# Altium PCB 控制器.PcbDoc (part 2 of 2)
Units mil, origin at the board's own origin, x right, y up, seen from the top; angles counter-clockwise.
Board outline 4045 x 3522 mil, 2 copper layers (Top Layer, Bottom Layer); 118 components, 129 nets, 483 pads, 116 vias.
Unrouted connection lines stored in the file: 1.
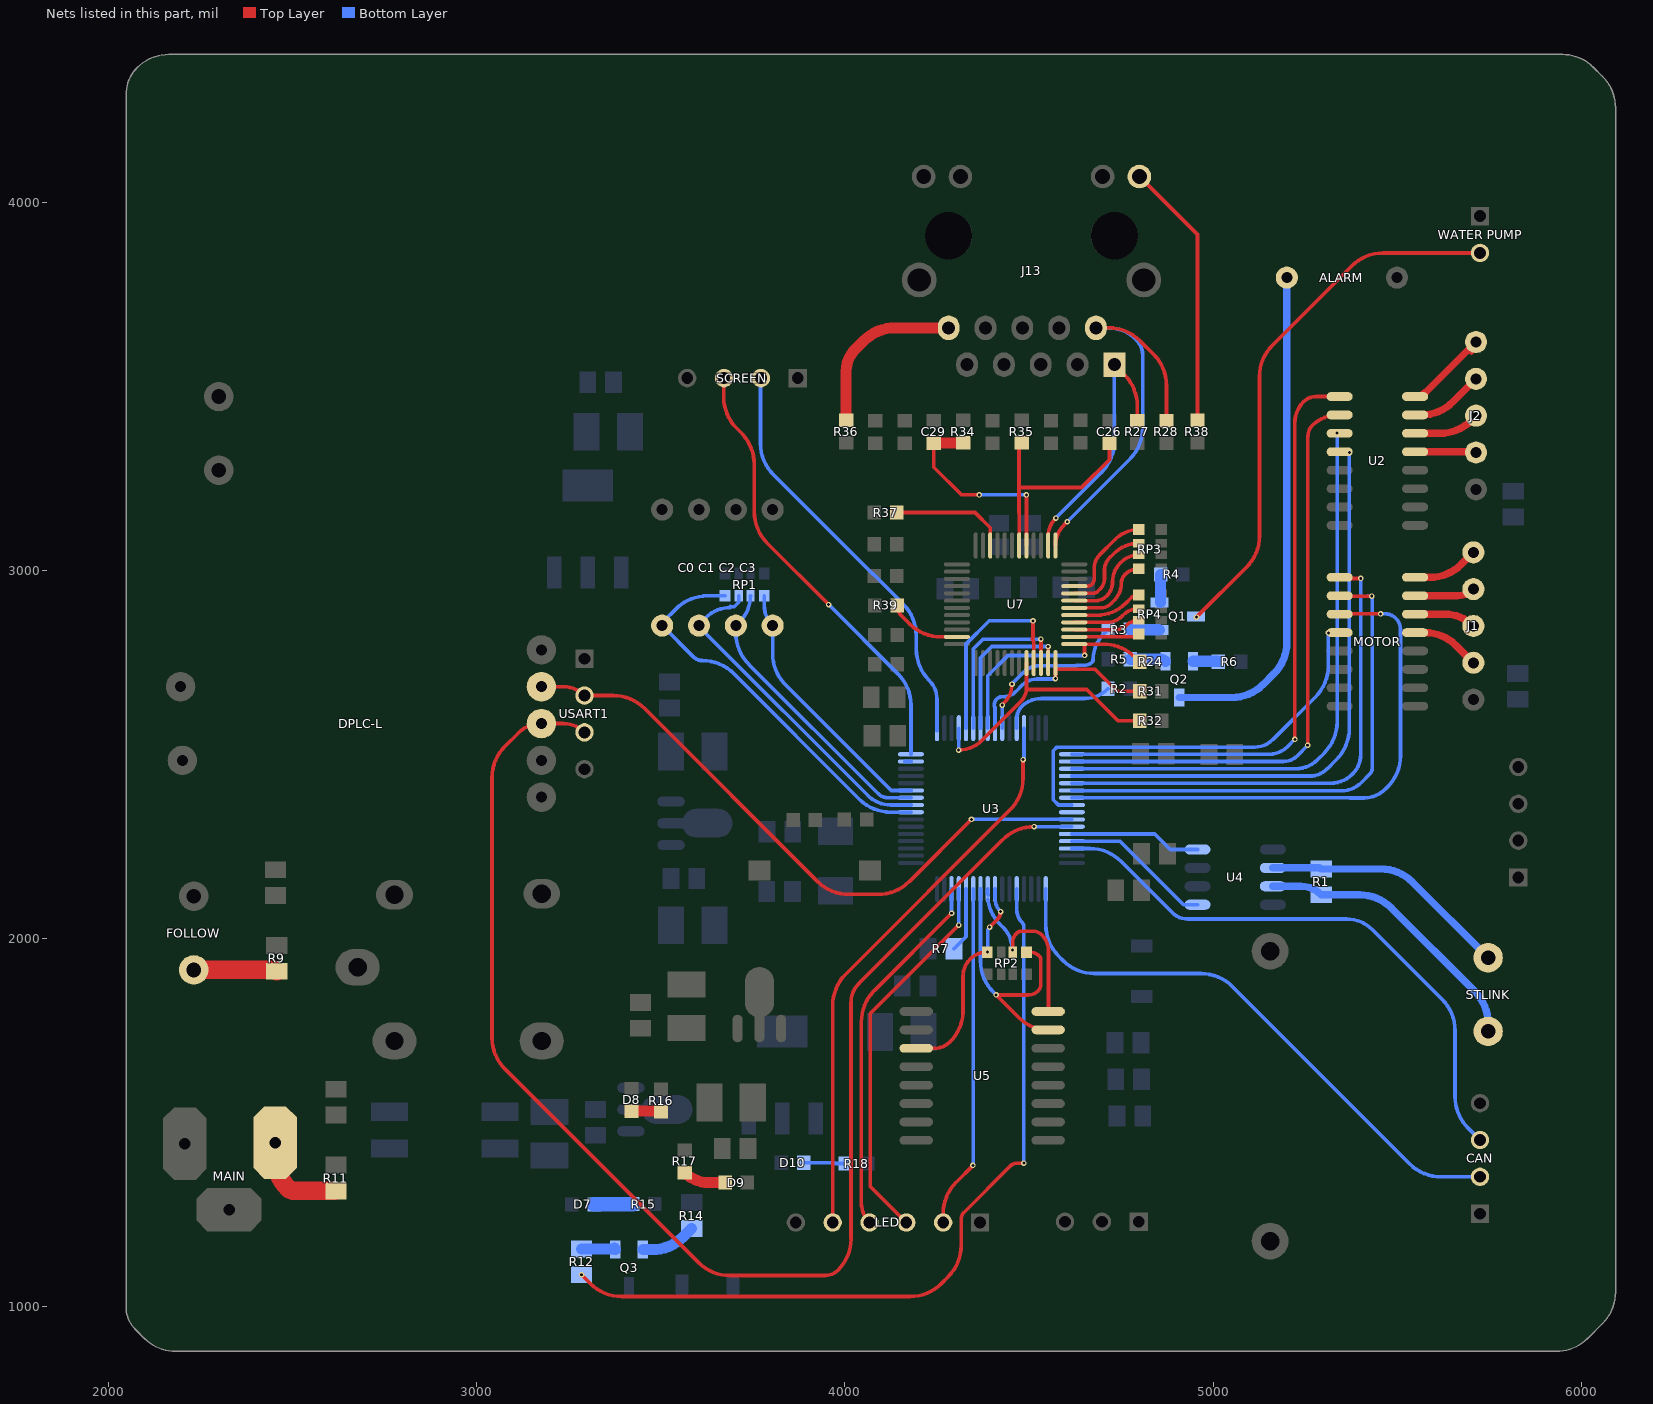
[diagram p2: the nets of this part, all layers, seen from the top]

## Via types
v1: diameter 15, hole 8, Top Layer to Bottom Layer, 112 vias
v2: diameter 216.54, hole 177.17, Top Layer to Bottom Layer, 4 vias

## Nets (pads, with @x,y where several pads share a name; then routed paths per layer and width w, separated by ;. In a path a pad name is that pad's centre, name@x,y a point inside that pad or via, vN(x,y) a via of type N, cw(c..) or ccw(c..) an arc to the next point about the centre after c; other vN are vias at no path point) (continued)
NetD7_K: D7.K R15.2 | length 105
  Bottom Layer w40: D7.K@3319,1278.21 3421.34,1278.21 ccw(c3421.34,1281.63) R15.2@3423.75,1279.21
NetD8_K: D8.K R16.2 | length 80.6
  Top Layer w30: D8.K@3420.91,1531.69 3496.76,1531.69 cw(c3496.76,1525.69) R16.2@3501,1529.93
NetD9_K: D9.K R17.2 | length 117
  Top Layer w30: R17.2@3565,1364.68 ccw(c3631.27,1430.95) 3631.27,1337.23 D9.K@3674.69,1337.23
NetD10_K: D10.K R18.2 | length 114.2
  Bottom Layer w10: D10.K@3888.31,1391 3972.64,1391 3974.64,1389 R18.2@4001.68,1389
NetD11_1: 
NetD11_2: 
NetJ1_1: J1.1 MOTOR.16 | length 181.4
  Top Layer w20: MOTOR.16@5548.56,2981 5588.99,2981 ccw(c5588.99,3101.71) 5674.35,3016.36 J1.1@5707,3049.01
NetJ1_2: J1.2 MOTOR.15 | length 163.3
  Top Layer w20: MOTOR.15@5548.56,2931 5663.52,2931 ccw(c5663.52,2992.49) J1.2@5707,2949.01
NetJ1_3: J1.3 MOTOR.14 | length 167
  Top Layer w20: MOTOR.14@5548.56,2881 5629.77,2881 cw(c5629.77,2771.78) J1.3@5707,2849.01
NetJ1_4: J1.4 MOTOR.13 | length 187.2
  Top Layer w20: MOTOR.13@5548.56,2831 5575.01,2831 cw(c5575.01,2710.29) 5660.37,2795.64 J1.4@5707,2749.01
NetJ2_1: J2.1 U2.16 | length 259.1
  Top Layer w10: 5701.26,3589.26 ccw(c5670.5,3620.02) J2.1@5714,3620.02
  Top Layer w20: U2.16@5548.56,3472 ccw(c5548.56,3514.06) 5578.3,3484.32 J2.1@5714,3620.02
NetJ2_2: J2.2 U2.15 | length 200.8
  Top Layer w20: U2.15@5548.56,3422 5565.98,3422 ccw(c5565.98,3542.71) 5651.34,3457.36 J2.2@5714,3520.02
NetJ2_3: J2.3 U2.14 | length 180.1
  Top Layer w20: U2.14@5548.56,3372 5615.98,3372 ccw(c5615.98,3492.71) 5701.34,3407.36 J2.3@5714,3420.02
NetJ2_4: J2.4 U2.13 | length 166
  Top Layer w20: U2.13@5548.56,3322 5709.22,3322 cw(c5709.22,3315.24) J2.4@5714,3320.02
NetJ4_2: "WATER PUMP.2" Q1.3 | length 1475.7
  Top Layer w10: v1(4955,2873) 5090.64,3008.64 ccw(c5005.29,3094) 5126,3094 5126,3526 cw(c5246.71,3526) 5161.36,3611.36 5376.64,3826.64 cw(c5462,3741.29) 5462,3862 5725,3862
NetJ6_1: R1.2 STLINK.1 U4.6 | length 680.1
  Bottom Layer w20: U4.6@5162.36,2192 5286.85,2192 cw(c5286.85,2181.89) R1.2@5294,2189.04 5455.96,2189.04 cw(c5455.96,2068.33) 5541.32,2153.68 STLINK.1@5747,1948
NetJ6_2: R1.1 STLINK.2 U4.7 | length 776.2
  Bottom Layer w20: U4.7@5162.36,2142 5238.38,2142 cw(c5238.38,2063.34) R1.1@5294,2118.96 5398.04,2118.96 cw(c5398.04,1998.25) 5483.4,2083.6 5711.64,1855.36 cw(c5626.29,1770) 5747,1770 STLINK.2@5747,1748
NetJ10_1: MAIN.1 R11.1 | length 265.4
  Top Layer w30: R11.1@2614,1314.78 R11.1@2618,1314.78
  Top Layer w50: MAIN.1@2452.72,1446 2452.72,1407.28 ccw(c2573.43,1407.28) 2488.08,1321.92 ccw(c2505.31,1339.16) 2505.31,1314.78 R11.1@2614,1314.78
NetJ13_10: J13.10 R36.2 | length 472.2
  Top Layer w30: R36.2@4003.63,3407.32 4003.63,3541.17 cw(c4086.83,3541.17) 4028,3600 4051.14,3623.14 cw(c4136.5,3537.79) 4136.5,3658.5 J13.10@4282,3658.5
NetJ13_11: J13.11 R38.2 | length 727.5
  Top Layer w10: J13.11@4800,4069.5 4957.63,3911.87 R38.2@4957.63,3407.32
NetP1_1: FOLLOW.1 R9.1 | length 226
  Top Layer w50: FOLLOW.1@2232,1915 2447.87,1915 cw(c2447.87,1902.09) R9.1@2457,1911.22
NetQ1_1: Q1.1 R3.2 | length 79.8
  Bottom Layer w30: R3.2@4775.32,2838.71 4852.11,2838.71 cw(c4852.11,2834.92) Q1.1@4854.79,2837.6
NetQ1_2: Q1.2 R4.1 | length 79.5
  Bottom Layer w10: Q1.2@4854.79,2912.4 Q1.2@4857.69,2912.4
  Bottom Layer w30: Q1.2@4857.69,2912.4 R4.1@4857.69,2989
NetQ2_1: Q2.1 R5.2 | length 96.7
  Bottom Layer w30: R5.2@4775.32,2758.62 4857.54,2758.62 cw(c4857.54,2740.16) Q2.1@4870.6,2753.21
NetQ2_2: Q2.2 R6.1 | length 69.5
  Bottom Layer w30: Q2.2@4945.4,2753.21 5011.62,2753.21 cw(c5011.62,2749.07) R6.1@5014.55,2752
NetQ2_3: ALARM.2 Q2.3 | length 1363.8
  Bottom Layer w20: Q2.3@4908,2654.79 5050.79,2654.79 ccw(c5050.79,2775.5) 5136.14,2690.14 5164.94,2718.94 ccw(c5079.59,2804.3) 5200.3,2804.3 ALARM.2@5200.3,3795
NetQ3_1: Q3.1 R12.2@3285,1157.12 | length 96.4
  Bottom Layer w30: R12.2@3285,1157.12 3371.98,1157.12 cw(c3371.98,1150.6) Q3.1@3376.6,1155.21 cw(c3380.46,1159.07) Q3.1@3375,1159.07
NetQ3_2: Q3.2 R14.1 | length 151.3
  Bottom Layer w30: Q3.2@3451.4,1155.21 3476.25,1155.21 ccw(c3476.25,1275.92) 3561.61,1190.57 R14.1@3584,1212.96
NetQ4_1: 
NetQ5_1: 
NetQ5_2: 
NetR2_1: R2.1 U3.28 | length 309.7
  Bottom Layer w10: U3.28@4466.9,2571.5 4466.9,2598.37 cw(c4511.63,2598.37) 4480,2630 cw(c4533.11,2576.89) 4533.11,2652 4650.63,2652 ccw(c4650.63,2742.59) R2.1@4714.69,2678.53
NetR8_2: R7.2 U3.60 | length 176.2
  Bottom Layer w10: R7.2@4296.04,1972 4329.1,2005.06 U3.60@4329.1,2134.5
NetR20_1: 
NetR21_1: 
NetR22_1: 
NetR23_1: 
NetR30_1: 
NetR37_2: R37.2 U7.10 | length 319.3
  Top Layer w10: R37.2@4140.95,3157 4353.73,3157 4394.73,3116 U7.10@4394.73,3067.45
NetR39_1: R39.1 U7.23 | length 200.5
  Top Layer w10: R39.1@4141.95,2904.91 ccw(c4182.03,2904.91) 4153.69,2876.57 4175.48,2854.77 ccw(c4260.84,2940.13) 4260.84,2819.42 U7.23@4304.18,2819.42
NetRP1_5: "C0 C1 C2 C3.4" RP1.5 U3.11 | length 713.1
  Bottom Layer w10: RP1.5@3781.15,2930.68 3781.15,2905.16 ccw(c3859.16,2905.16) 3804,2850 3804,2774 ccw(c3924.71,2774) 3835.76,2692.39 ccw(c3924.71,2774) 3839.36,2688.64 4090.43,2437.57 ; 4092.79,2435.37 4125.95,2402.21 U3.11@4179.5,2402.21
NetRP1_6: "C0 C1 C2 C3.3" RP1.6 U3.10 | length 796.2
  Bottom Layer w10: RP1.6@3743.75,2930.68 cw(c3644.92,2930.68) 3714.8,2860.8 3704,2850 3704,2830 ccw(c3824.71,2830) 3739.36,2744.64 4090.49,2393.51 ccw(c4117,2420.02) 4117,2382.53 U3.10@4179.5,2382.53
NetRP1_7: "C0 C1 C2 C3.2" RP1.7 U3.9 | length 926.3
  Bottom Layer w10: 3689.21,2901.94 ccw(c3689.73,2901.42) 3689,2901.42 3689,2901 ; RP1.7@3712.25,2930.68 3712.25,2913.25 3700,2901 3689,2901 ; U3.9@4179.5,2362.84 4125.15,2362.84 cw(c4125.15,2452.15) 4073.96,2378.97 cw(c4125.15,2452.15) 4062,2389 3606.12,2844.88 cw(c3611.24,2850) 3604,2850 cw(c3611.24,2850) 3606.12,2855.12 3622.42,2871.42 cw(c3689,2804.85) 3637.98,2883.98 cw(c3689,2804.85) 3689,2899 3689,2901
NetRP1_8: "C0 C1 C2 C3.1" RP1.8 U3.8 | length 1076.5
  Bottom Layer w10: RP1.8@3674.85,2930.68 3626.68,2930.68 ccw(c3626.68,2809.97) 3571.15,2917.15 ccw(c3626.68,2809.97) 3541.33,2895.33 3509.66,2863.66 ccw(c3523.31,2850) 3504,2850 3589.1,2764.9 ccw(c3613,2788.8) 3613,2755 cw(c3613,2634.29) 3698.36,2719.64 4039.49,2378.51 ccw(c4124.84,2463.87) 4049.21,2369.79 ccw(c4124.84,2463.87) 4124.84,2343.16 U3.8@4179.5,2343.16
NetRP3_4: RP3.4 U7.42 | length 235.2
  Top Layer w10: U7.42@4623.08,2898.16 4695.93,2898.16 ccw(c4695.93,2935.02) 4722,2908.96 4731.88,2918.83 ccw(c4685.71,2965) 4751,2965 cw(c4784.8,2965) 4760.9,2988.9 4760.98,2988.98 cw(c4798.31,2951.65) RP3.4@4798.31,3004.45
NetRP4_5: RP4.5 U7.41 | length 192
  Top Layer w10: U7.41@4623.08,2878.47 4685.88,2878.47 ccw(c4685.88,2986.12) 4726.38,2886.38 ccw(c4685.88,2986.12) 4762,2910 4776.29,2924.29 cw(c4798.31,2902.26) RP4.5@4798.31,2933.41
NetRP4_6: RP4.6 U7.40 | length 185.5
  Top Layer w10: U7.40@4623.08,2858.79 4711.45,2858.79 ccw(c4711.45,2917.55) 4753,2876 4755.12,2878.12 cw(c4798.31,2834.92) 4775.63,2891.64 cw(c4798.31,2834.92) RP4.6@4798.31,2896.01
NetRP4_7: RP4.7 U7.39 | length 182.1
  Top Layer w10: U7.39@4623.08,2839.1 4737.69,2839.1 ccw(c4737.69,2876.31) 4764,2850 4764.51,2850.51 cw(c4798.31,2816.71) 4776.97,2859.48 cw(c4798.31,2816.71) RP4.7@4798.31,2864.51
NetRP4_8: RP4.8 U7.38 | length 177.3
  Top Layer w10: U7.38@4623.08,2819.42 4779.73,2819.42 ccw(c4779.73,2845.69) RP4.8@4798.31,2827.11
PA1: U3.15 | length 16.4
  Bottom Layer w10: U3.15@4163.05,2480.95 U3.15@4179.5,2480.95
PA2: SCREEN.3 U3.16 | length 1213.2
  Top Layer w10: SCREEN.3@3671,3524 3671,3471 ccw(c3791.71,3471) 3706.36,3385.64 3718.64,3373.36 cw(c3633.29,3288) 3730.67,3359.33 cw(c3633.29,3288) 3754,3288 3754,3159 ccw(c3874.71,3159) 3789.36,3073.64 v1(3956,2907)
  Bottom Layer w10: v1(3956,2907) 4144.14,2718.86 cw(c4058.79,2633.5) 4179.5,2633.5 U3.16@4179.5,2500.64
PA3: SCREEN.2 U3.17 | length 1140.2
  Bottom Layer w10: SCREEN.2@3771,3524 3771,3345 ccw(c3891.71,3345) 3806.36,3259.64 4076.5,2989.5 ; 4077,2990 4158.64,2908.36 cw(c4073.29,2823) 4194,2823 4194,2786 ccw(c4314.71,2786) 4229.36,2700.64 cw(c4178.64,2649.93) 4250.36,2649.93 U3.17@4250.36,2571.5 U3.17@4250.36,2564
PA8: U3.41
PA9: DPLC-L.2 U3.42 USART1.2 | length 1739.7
  Top Layer w10: DPLC-L.2@3176,2684 3235.06,2684 cw(c3235.06,2602.06) USART1.2@3293,2660 3371,2660 cw(c3371,2539.29) 3456.36,2624.64 3925.64,2155.36 ccw(c4011,2240.71) 4011,2120 4090,2120 ccw(c4090,2240.71) 4145.53,2133.53 ccw(c4090,2240.71) 4175.36,2155.36 v1(4344,2324)
  Bottom Layer w10: v1(4344,2324) 4615.98,2324 U3.42@4616.5,2323.47
PA10: DPLC-L.3 U3.43 USART1.3 | length 3817.7
  Top Layer w10: USART1.3@3293,2560 ccw(c3235.06,2502.06) 3235.06,2584 DPLC-L.3@3176,2584 ccw(c3176,2494.67) 3112.84,2557.84 3077.36,2522.36 ccw(c3162.71,2437) 3042,2437 3042,1731 ccw(c3162.71,1731) 3077.36,1645.64 3602.64,1120.36 ccw(c3688,1205.71) 3688,1085 3946.29,1085 ccw(c3946.29,1135) 3981.64,1099.64 ccw(c3896.29,1185) 4017,1185 4017,1827.3 cw(c4088.7,1827.3) 4019.17,1844.82 cw(c4088.7,1827.3) 4038,1878 4428.43,2268.43 cw(c4513.79,2183.08) 4469.86,2295.51 cw(c4513.79,2183.08) 4513.79,2303.79 v1(4514,2303.79)
  Bottom Layer w10: v1(4514,2303.79) U3.43@4616.5,2303.79
PA11: U3.44 U4.4 | length 358.6
  Bottom Layer w10: U3.44@4616.5,2284.1 4841.9,2284.1 4884,2242 U4.4@4957.64,2242
PA12: U3.45 U4.1 | length 412.6
  Bottom Layer w10: U3.45@4616.5,2264.42 4747.58,2264.42 4920,2092 U4.1@4957.64,2092
PB7: LED.2 U3.59 | length 934.1
  Top Layer w10: LED.2@4267,1229 4267,1253 cw(c4387.71,1253) 4302.36,1338.36 v1(4348,1384)
  Bottom Layer w10: v1(4348,1384) ccw(c4346.1,1385.9) 4348.79,1385.9 U3.59@4348.79,2134.5
PB8: LED.3 U3.61 | length 1045.7
  Top Layer w10: LED.3@4167,1229 4069,1327 4069,1796.22 v1(4309.42,2036.64)
  Bottom Layer w10: v1(4309.42,2036.64) U3.61@4309.42,2134.5
PB9: LED.4 U3.62 | length 1007.6
  Top Layer w10: LED.4@4067,1229 cw(c4120.11,1282.11) 4045,1282.11 4045,1774 cw(c4165.71,1774) 4077.96,1856.89 cw(c4165.71,1774) 4080.36,1859.36 v1(4289.73,2068.73)
  Bottom Layer w10: v1(4289.73,2068.73) U3.62@4289.73,2134.5
PB10: LED.5 U3.29 | length 1547
  Top Layer w10: LED.5@3967,1229 3967,1818 cw(c4087.71,1818) 4002.36,1903.36 4448.64,2349.64 ccw(c4363.29,2435) 4484,2435 v1(4484,2486)
  Bottom Layer w10: v1(4484,2486) ccw(c4477.77,2492.23) 4486.58,2492.23 U3.29@4486.58,2571.5
PB12: U2.1 U3.33 | length 1644.3
  Top Layer w10: v1(5222,2541) 5222,3400.06 cw(c5303.94,3400.06) 5234,3442.75 cw(c5303.94,3400.06) 5246,3458 cw(c5279.8,3424.2) 5271.91,3471.35 cw(c5279.8,3424.2) 5279.8,3472 U2.1@5343.83,3472
  Bottom Layer w10: U3.33@4616.5,2500.64 5153.67,2500.64 ccw(c5153.67,2568.16) 5201.41,2520.41 v1(5222,2541)
PB13: U2.2 U3.34 | length 1610.2
  Top Layer w10: v1(5257,2525) 5257,3366.44 ; 5258,3366.44 cw(c5295.56,3366.44) 5269,3393 cw(c5339.01,3322.99) 5277.85,3400.85 cw(c5339.01,3322.99) 5339.01,3422 U2.2@5343.83,3422
  Bottom Layer w10: U3.34@4616.5,2480.95 5191,2480.95 ccw(c5191,2536.36) 5230.18,2497.18 v1(5257,2525)
PB14: U2.3 U3.35 | length 1578.1
  Bottom Layer w10: U3.35@4616.5,2461.27 5224.29,2461.27 ccw(c5224.29,2545.71) 5284,2486 5301.64,2503.64 ccw(c5216.29,2589) 5337,2589 5337,3370.59 ccw(c5333.59,3370.59) v1(5336,3373)
PB15: U2.4 U3.36 | length 1586.4
  Bottom Layer w10: U3.36@4616.5,2441.58 5270.01,2441.58 ; 5261,2441 ccw(c5261,2511.01) 5270.01,2441.58 ; v1(5370,3320) 5370,2571 cw(c5249.29,2571) 5334.64,2485.64 5310.51,2461.51 cw(c5261,2511.01) 5270.01,2441.58
PC6: MOTOR.1 U3.37 | length 1364
  Top Layer w10: MOTOR.1@5343.83,2981 ccw(c5351.07,2988.24) 5351.07,2978 v1(5401,2978)
  Bottom Layer w10: U3.37@4616.5,2421.9 5319,2421.9 ; 5319,2422 ccw(c5319,2506.5) 5378.75,2446.75 ccw(c5325.03,2500.47) 5401,2500.47 v1(5401,2978)
PC7: MOTOR.2 U3.38 | length 1408.2
  Top Layer w10: MOTOR.2@5343.83,2931 cw(c5346.25,2928.59) 5346.25,2932 5348.25,2930 v1(5431,2930)
  Bottom Layer w10: U3.38@4616.5,2402.21 4617.32,2401.4 5349.39,2401.4 ccw(c5349.39,2476.26) 5402.32,2423.32 5426.34,2447.34 ccw(c5412.66,2461.01) 5432,2461.01 v1@5432,2927.76 ; 5419,2930 v1(5431,2930)
PC8: MOTOR.3 U3.39 | length 1492.8
  Top Layer w10: MOTOR.3@5343.83,2881 cw(c5346.25,2878.59) 5346.25,2882 v1(5455,2882)
  Bottom Layer w10: U3.39@4616.5,2382.53 5372,2382.53 ; 5372,2382 5410.06,2382 ccw(c5410.06,2463.94) 5419.35,2382.53 ccw(c5410.06,2463.94) 5442,2388.48 ccw(c5410.06,2463.94) 5468,2406 5473.64,2411.64 ccw(c5388.29,2497) 5509,2497 5509,2838.62 ccw(c5464.62,2838.62) 5496,2870 ccw(c5467.03,2841.03) 5467.03,2882 v1(5455,2882)
PC9: MOTOR.4 U3.40 | length 1142.2
  Bottom Layer w10: U3.40@4616.5,2362.84 4580,2362.84 4566,2376.84 4566,2510 4576,2520 5113,2520 ccw(c5113,2590.01) 5162.51,2540.51 5277.64,2655.64 ccw(c5192.29,2741) 5313,2741 v1(5313,2830)
PC12: R12.1@3285,1087.04 U3.53 | length 2184.5
  Top Layer w10: v1(3285,1087.04) 3308.69,1063.36 ccw(c3394.04,1148.71) 3394.04,1028 4177,1028 ccw(c4177,1148.71) 4262.36,1063.36 4280.64,1081.64 ccw(c4195.29,1167) 4316,1167 4316,1237.69 cw(c4343.31,1237.69) 4323.99,1256.99 4449.89,1382.89 cw(c4467.06,1365.72) 4467.06,1390 v1(4486,1390)
  Bottom Layer w10: U3.53@4466.9,2134.5 4466.9,2078.05 ccw(c4515.05,2078.05) 4481,2044 cw(c4468.93,2031.93) 4486,2031.93 v1(4486,1390)
RXN: C29.1 R34.2 U7.5 | length 566.1
  Top Layer w10: C29.1@4241.63,3345.69 4241.63,3280 4316.63,3205 v1(4365,3205) ; U7.5@4493.16,3067.45 v1(4493.16,3205)
  Top Layer w30: C29.1@4241.63,3345.69 4319.22,3345.69 ccw(c4319.22,3349.09) R34.2@4321.63,3346.68
  Bottom Layer w10: v1(4365,3205) v1(4493.16,3205)
RXP: C26.1 R35.2 U7.6 | length 609.1
  Top Layer w10: U7.6@4473.47,3067.45 4473.47,3156 4473,3156.47 4473,3225 ; R35.2@4480.63,3346.68 4473,3346.68 4473,3225 ; C26.1@4718.63,3345.69 4718.63,3300.63 4643,3225 4473,3225
SCL: RP2.6 U3.57 U5.16 | length 506.1
  Top Layer w10: RP2.6@4455.75,1978.24 4455.75,1989.25 cw(c4490.75,1989.25) 4466,2014 cw(c4480.49,1999.51) 4480.49,2020 4510.86,2020 cw(c4510.86,1985.86) 4535,2010 cw(c4491.54,1966.54) 4553,1966.54 U5.16@4553,1802
  Bottom Layer w10: U3.57@4387,2123 U3.57@4387,2131 ; U3.57@4388.16,2106.32 ccw(c4507.71,2123) 4388.33,2105.13 ccw(c4507.71,2123) 4422.36,2037.64 4429.4,2030.6 cw(c4368.06,1969.26) v1(4454.81,1969.26) ; U3.57@4388.16,2134.5 4388.16,2120.84 4389.33,2119.67 U3.57@4389.33,2117.67
SDA: RP2.5 U3.58 U5.15 | length 728.1
  Top Layer w10: RP2.5@4493.15,1963.32 4501.68,1963.32 cw(c4501.68,1924.68) 4529,1952 cw(c4521.76,1944.76) 4532,1944.76 4532,1874.9 cw(c4508.1,1874.9) 4525,1858 cw(c4498.44,1884.56) 4498.44,1847 v1(4411,1847) 4473.38,1784.62 ccw(c4552.13,1863.38) U5.15@4552.13,1752
  Bottom Layer w10: U3.58@4368.47,2134.5 4368.47,1939.53 ccw(c4489.18,1939.53) 4403.83,1854.17 v1(4411,1847)
SQW: RP2.8 U3.56 U5.3 | length 575.8
  Top Layer w10: U5.3@4193.87,1702 4240,1702 4243.11,1702 ccw(c4243.11,1762.1) 4285.6,1719.6 ccw(c4200.25,1804.96) 4318.44,1780.44 ccw(c4200.25,1804.96) 4320.96,1804.96 4320.96,1897.74 cw(c4386.66,1897.74) 4326.97,1925.2 cw(c4386.66,1897.74) 4340.2,1944.2 cw(c4388,1896.4) 4360.85,1958.31 cw(c4388,1896.4) v1(4388,1964) ; v1(4393,2031) 4414.51,2052.51 ccw(c4394.03,2073) v1(4423,2073)
  Bottom Layer w10: v1(4388,1964) 4388,2018.93 cw(c4405.07,2018.93) v1(4393,2031) ; U3.56@4407.84,2134.5 4407.84,2109.59 ccw(c4459.59,2109.59) v1(4423,2073)
SWCLK: CAN.2 U3.49 | length 1568.5
  Bottom Layer w10: U3.49@4545.64,2134.5 4545.64,2037.36 ccw(c4666.35,2037.36) 4580.99,1952.01 4592.64,1940.36 ccw(c4678,2025.71) 4678,1905 4967,1905 cw(c4967,1784.29) 5052.36,1869.64 5533.65,1388.35 ccw(c5619.01,1473.7) 5619.01,1352.99 CAN.2@5725,1352.99
SWDIO: CAN.3 U3.46 | length 1577.6
  Bottom Layer w10: U3.46@4616.5,2244.73 4665,2244.73 cw(c4665,2124.02) 4750.36,2209.38 4890.28,2069.45 ccw(c4930,2109.17) 4890.32,2069.42 ccw(c4930,2109.17) 4930,2053 5362.99,2053 cw(c5362.99,1953.99) 5382.79,2051 cw(c5362.99,1953.99) 5433,2024 5621.64,1835.36 cw(c5536.29,1750) 5657,1750 5657,1570.99 ccw(c5777.71,1570.99) 5673,1510.93 ccw(c5777.71,1570.99) 5692.36,1485.63 CAN.3@5725,1452.99
TXN: J13.2 R28.1 U7.1 | length 1159.4
  Top Layer w10: U7.1@4571.9,3084.81 U7.1@4571.9,3067.45 cw(c4650.25,3067.45) 4594.85,3122.85 v1(4604,3132) ; J13.2@4682,3658.5 4716.5,3658.5 cw(c4716.5,3537.79) 4801.86,3623.14 4838.01,3586.99 cw(c4752.66,3501.63) 4873.37,3501.63 R28.1@4873.37,3406.31
  Bottom Layer w10: v1(4604,3132) 4773.64,3301.64 ccw(c4688.29,3387) 4809,3387 4809,3583.54 ccw(c4747.54,3583.54) 4791,3627 ccw(c4714.95,3550.95) 4714.95,3658.5 J13.2@4682,3658.5
TXP: J13.1 R27.1 U7.2 | length 730.1
  Top Layer w10: U7.2@4552.21,3067.45 4552.21,3091.82 cw(c4623.18,3091.82) 4554.11,3108.11 cw(c4623.18,3091.82) v1(4573,3142) ; J13.1@4732,3558.5 4759.01,3531.49 cw(c4673.66,3446.13) 4794.37,3446.13 R27.1@4794.37,3406.31
  Bottom Layer w10: v1(4573,3142) 4696.64,3265.64 ccw(c4611.29,3351) 4732,3351 J13.1@4732,3558.5
"W  PMODE2": RP3.3 U7.43 | length 247.4
  Top Layer w10: U7.43@4623.08,2917.84 4681.65,2917.84 ccw(c4681.65,2959.35) 4711,2930 ccw(c4672.37,2968.63) 4725.7,2956.8 ccw(c4672.37,2968.63) 4727,2968.63 cw(c4800.33,2968.63) 4737.6,3006.6 cw(c4800.33,2968.63) 4748.48,3020.48 4749.72,3021.72 cw(c4798.31,2973.12) 4763.2,3032.2 cw(c4798.31,2973.12) RP3.3@4798.31,3041.85
"W INTN": R31.1 U3.25 U7.36 | length 571.2
  Top Layer w10: U7.36@4571.9,2731 U7.36@4571.9,2748.55 cw(c4571.66,2748.31) 4572,2748.31 U7.36@4572,2731 ; v1(4572,2706) U7.36@4572,2731 ; R31.1@4800.31,2671.46 4739.54,2671.46 4680,2731 U7.36@4572,2731
  Bottom Layer w10: U3.25@4407.84,2571.5 4407.84,2626.18 ccw(c4402.78,2626.18) 4406.37,2629.76 4406.17,2629.96 4406.17,2635.92 cw(c4426.08,2635.92) 4412,2650 cw(c4428.9,2633.1) 4428.9,2657 4431.53,2657 ccw(c4431.53,2703.09) 4464.13,2670.5 4482.1,2688.47 ; 4482.12,2688.49 cw(c4522,2648.57) 4522,2705 4569.59,2705 ccw(c4569.59,2708.41) v1(4572,2706)
"W MISO": U3.22 U7.34 | length 474.1
  Top Layer w10: U7.34@4532.53,2748.55 v1(4532.53,2813)
  Bottom Layer w10: U3.22@4348.79,2571.5 4348.79,2786.42 4375.37,2813 v1(4532.53,2813)
"W MOSI": U3.23 U7.35 | length 431.6
  Top Layer w10: v1(4552,2793) 4552.21,2792.79 U7.35@4552.21,2748.55
  Bottom Layer w10: U3.23@4368.47,2571.5 4368.47,2762.33 4399.15,2793 v1(4552,2793)
"W PMODE0": RP3.1 U7.45 | length 265.6
  Top Layer w10: U7.45@4623.08,2957.21 4659.44,2957.21 ccw(c4659.44,2973.56) 4662.77,2957.55 ccw(c4659.44,2973.56) 4671,2962 ccw(c4656.51,2976.49) 4677,2976.49 4677,3004.37 cw(c4731.63,3004.37) 4686.7,3035.44 cw(c4731.63,3004.37) 4693,3043 4734.18,3084.18 cw(c4798.31,3020.05) 4743.75,3092.5 cw(c4798.31,3020.05) RP3.1@4798.31,3110.75
"W PMODE1": RP3.2 U7.44 | length 257.4
  Top Layer w10: U7.44@4623.08,2937.53 4673.79,2937.53 ccw(c4673.79,2956.21) 4683.68,2940.36 ccw(c4673.79,2956.21) 4687,2943 4693.69,2949.69 ccw(c4666.37,2977) 4697.65,2954.33 ccw(c4666.37,2977) 4705,2977 4705,3000.2 cw(c4752.8,3000.2) 4705.08,3002.97 cw(c4752.8,3000.2) 4719,3034 4730.08,3045.08 cw(c4798.31,2976.85) RP3.2@4798.31,3073.34
"W RST": R24.1 U3.24 U7.37 | length 651.7
  Top Layer w10: U7.37@4623.08,2799.73 U7.37@4653,2799.73 ; v1(4651,2769) 4651,2797.73 U7.37@4653,2799.73 ; R24.1@4800.31,2751.55 4787.49,2764.38 ccw(c4702.13,2679.02) 4731.43,2796.12 ccw(c4702.13,2679.02) 4702.13,2799.73 U7.37@4653,2799.73
  Bottom Layer w10: U3.24@4388.16,2571.5 4388.16,2714.01 4443.15,2769 v1(4651,2769)
"W SCLK": U3.21 U7.33 | length 552.5
  Top Layer w10: v1(4511,2863) 4511,2817.83 cw(c4504.17,2817.83) 4509,2813 cw(c4499.72,2803.72) 4512.84,2803.72 U7.33@4512.84,2748.55
  Bottom Layer w10: U3.21@4329.1,2571.5 4329.1,2800 4392.1,2863 v1(4511,2863)
"W SCSN": R32.1 U3.20 U7.32 | length 733
  Top Layer w10: v1(4309,2512) ccw(c4309,2601.33) 4372.16,2538.16 4478.42,2644.42 ccw(c4442.85,2680) 4492.47,2671.68 ; U7.32@4493.16,2748.55 4493.16,2680 cw(c4442.85,2680) 4492.47,2671.68 ; R32.1@4800.31,2591.37 4741.63,2591.37 4656.81,2676.19 4496.97,2676.19 4492.47,2671.68
  Bottom Layer w10: v1(4309,2512) ccw(c4307.99,2513.01) 4309.42,2513.01 U3.20@4309.42,2571.5
WATER: R3.1 U3.26 | length 471.4
  Top Layer w10: v1(4427.53,2634) cw(c4431.22,2634) 4428.6,2636.6 4433.49,2641.49 ccw(c4383.99,2691) 4450.17,2668.17 ccw(c4383.99,2691) v1(4454,2691)
  Bottom Layer w10: U3.26@4427.53,2571.5 v1(4427.53,2634) ; v1(4454,2691) cw(c4456.41,2691) 4454.71,2692.71 4485.32,2723.32 cw(c4528,2680.64) 4528,2741 4627.59,2741 ccw(c4627.59,2744.41) 4630,2742 4650.27,2742 ; R3.1@4714.69,2838.71 4703.84,2827.86 ccw(c4775.86,2755.83) 4674,2755.83 cw(c4667.17,2755.83) 4672,2751 cw(c4650.27,2772.73) 4654.26,2742.26 ; 4650.27,2742 ccw(c4650.27,2772.73) 4654.26,2742.26 ; 4650.27,2742 4654,2742 4654.26,2742.26